# Altium PCB EngineControl.PcbDoc
Units mm, origin at the board's own origin, x right, y up, seen from the top; angles counter-clockwise.
Board outline 93.1 x 76.8 mm, 2 copper layers (Top Layer, Bottom Layer), stack 1.08 mm thick; 80 components, 54 nets, 329 pads, 116 vias.
Unrouted connection lines stored in the file: 1.
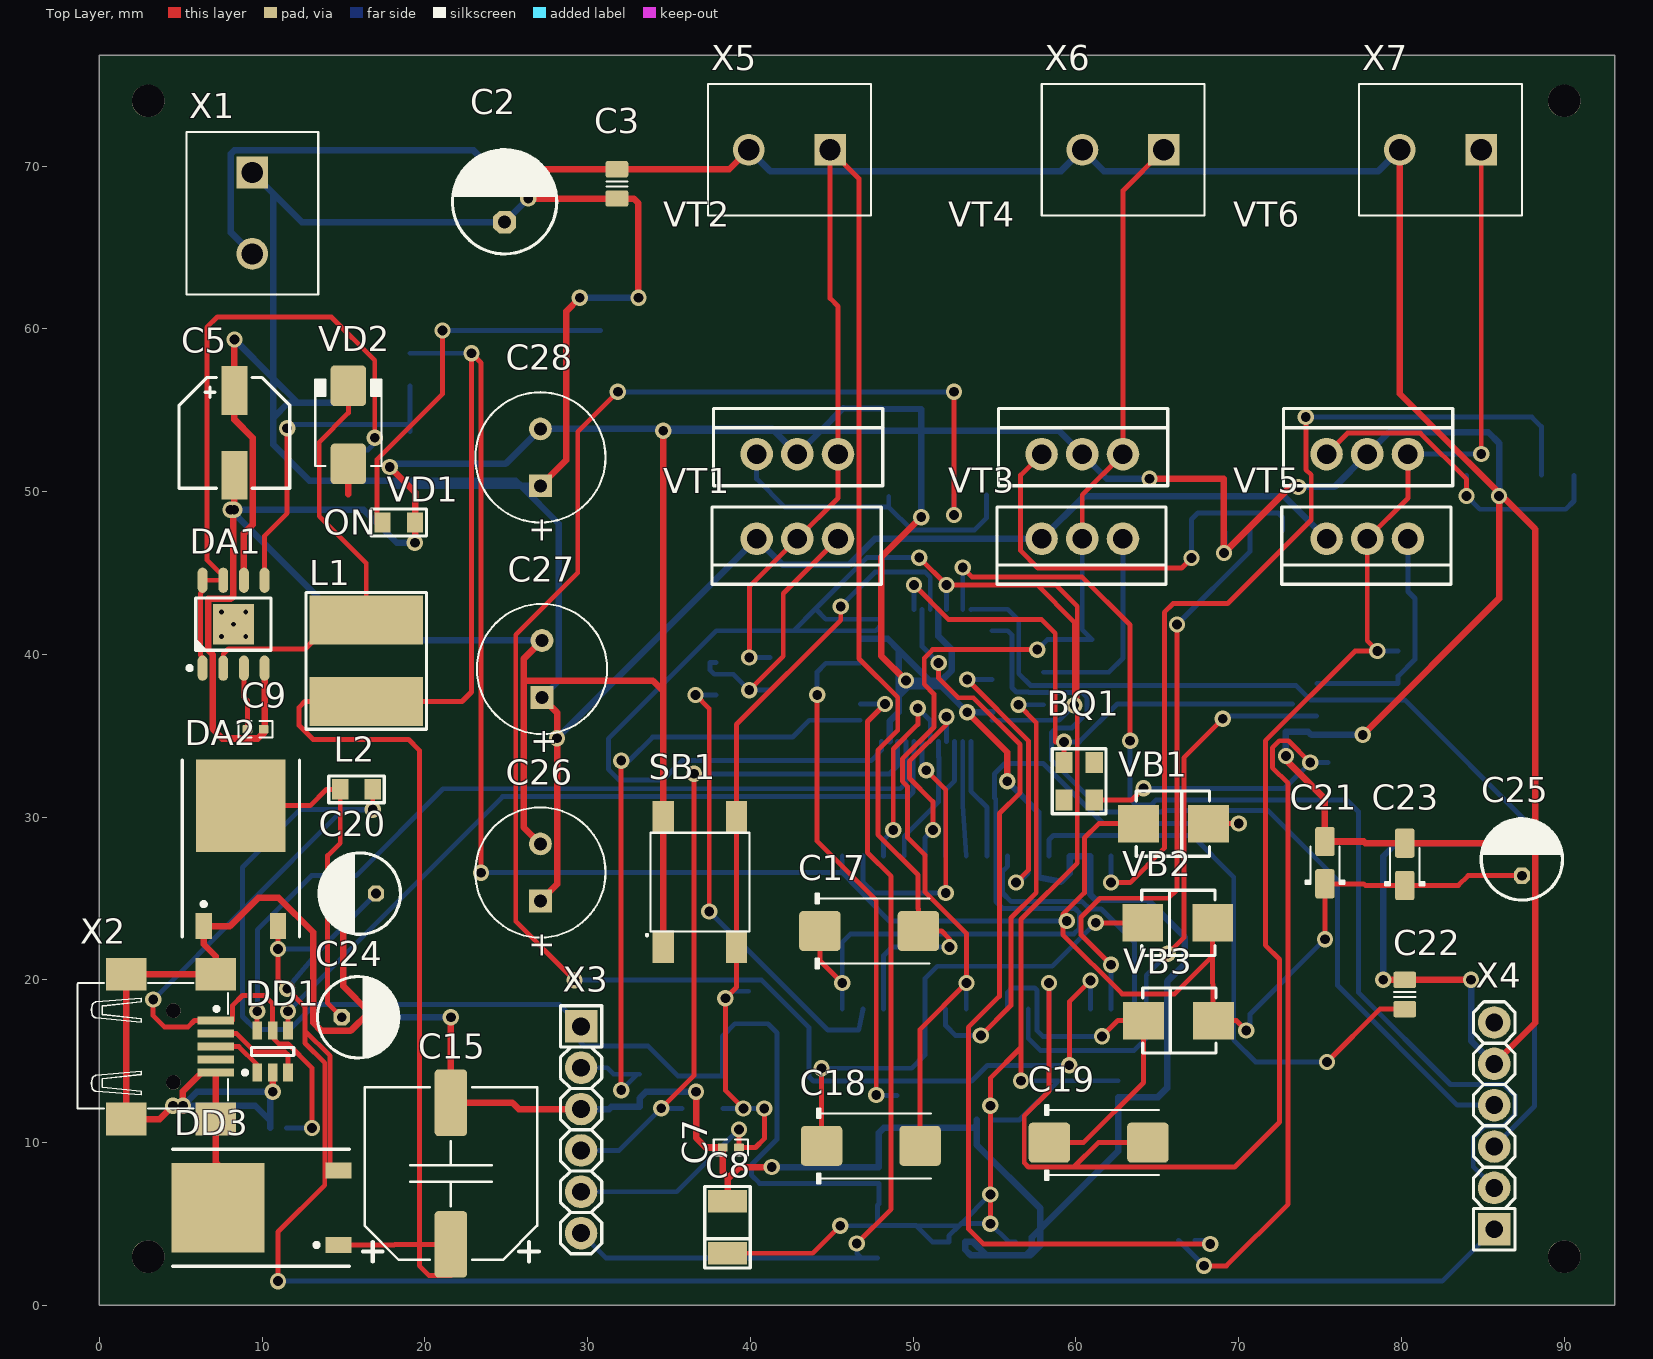
[diagram p0: Top Layer view]
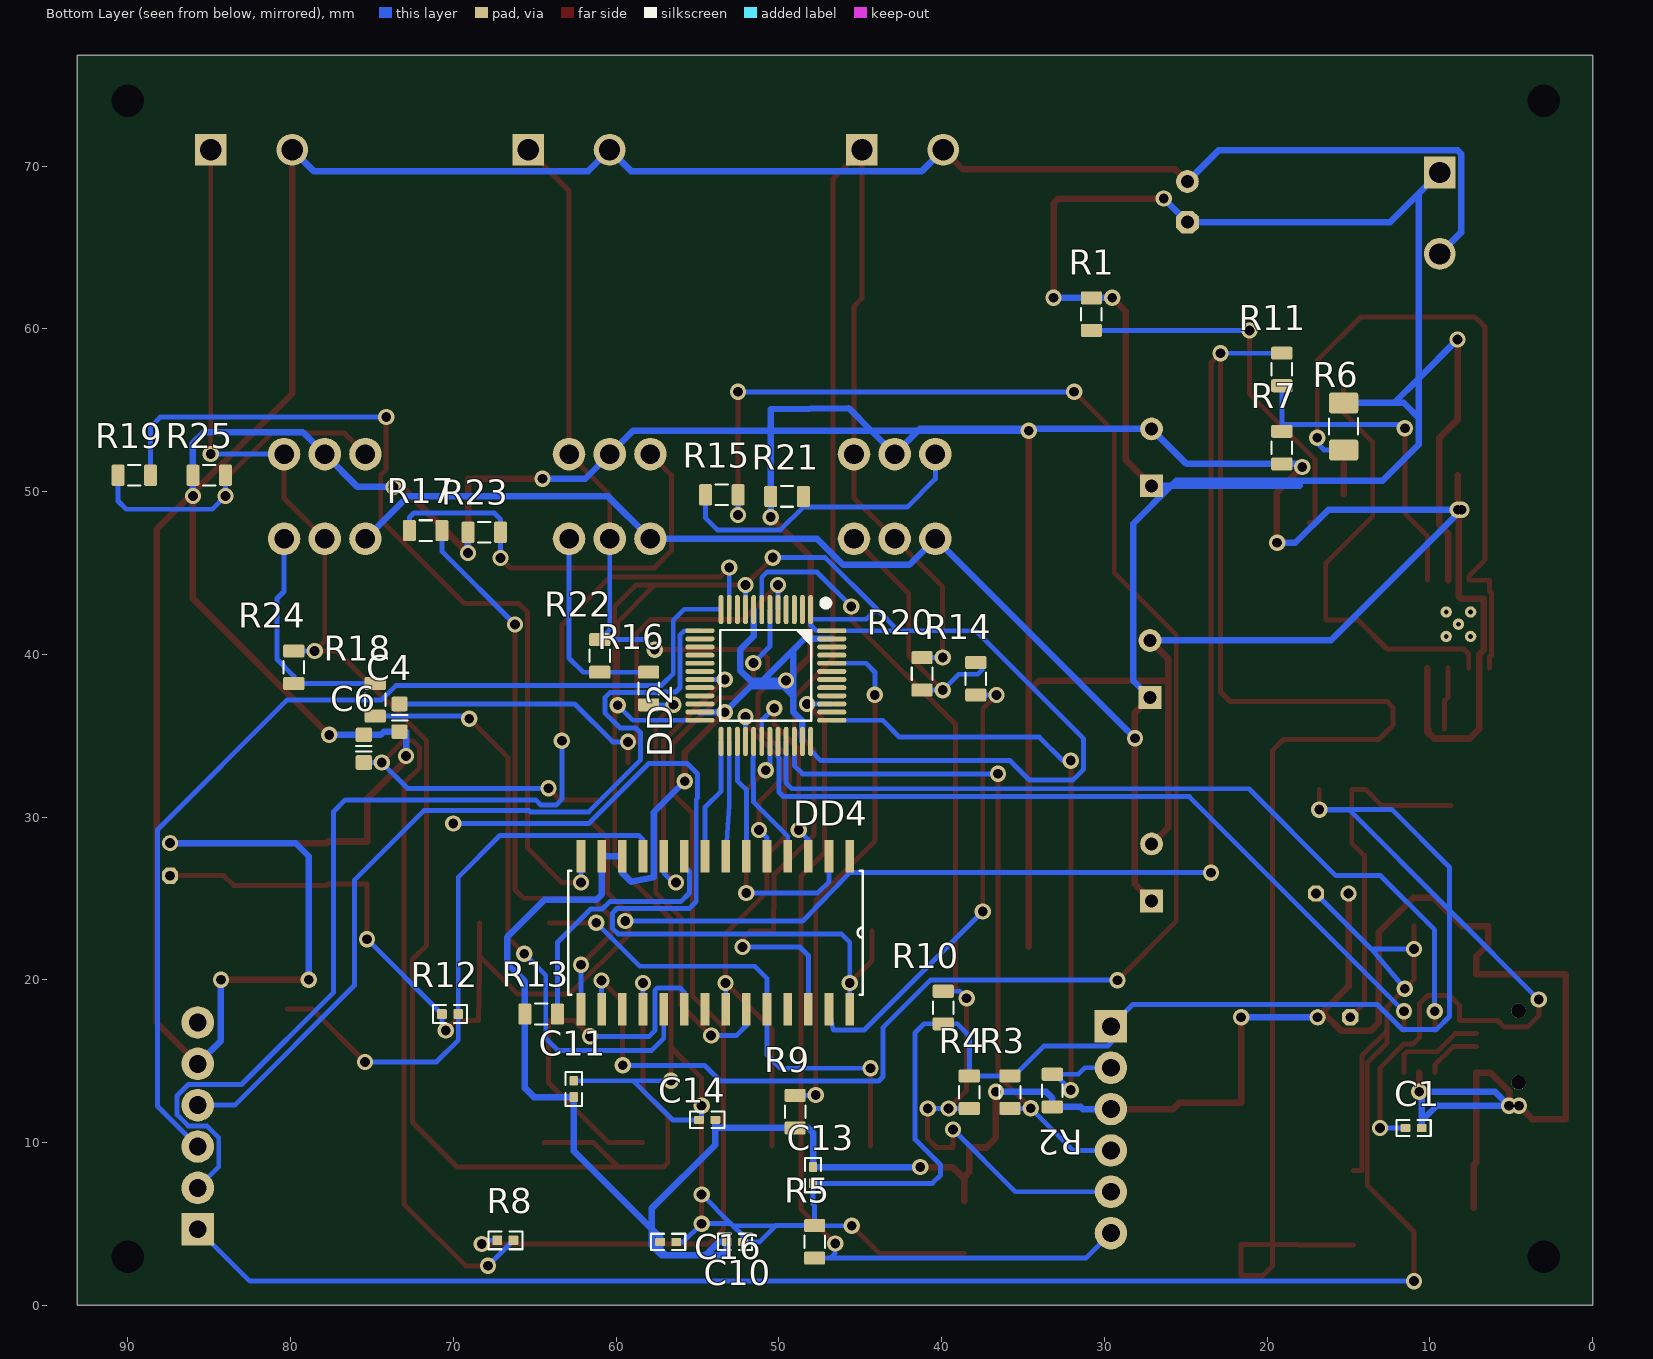
[diagram p1: Bottom Layer view, seen from below]
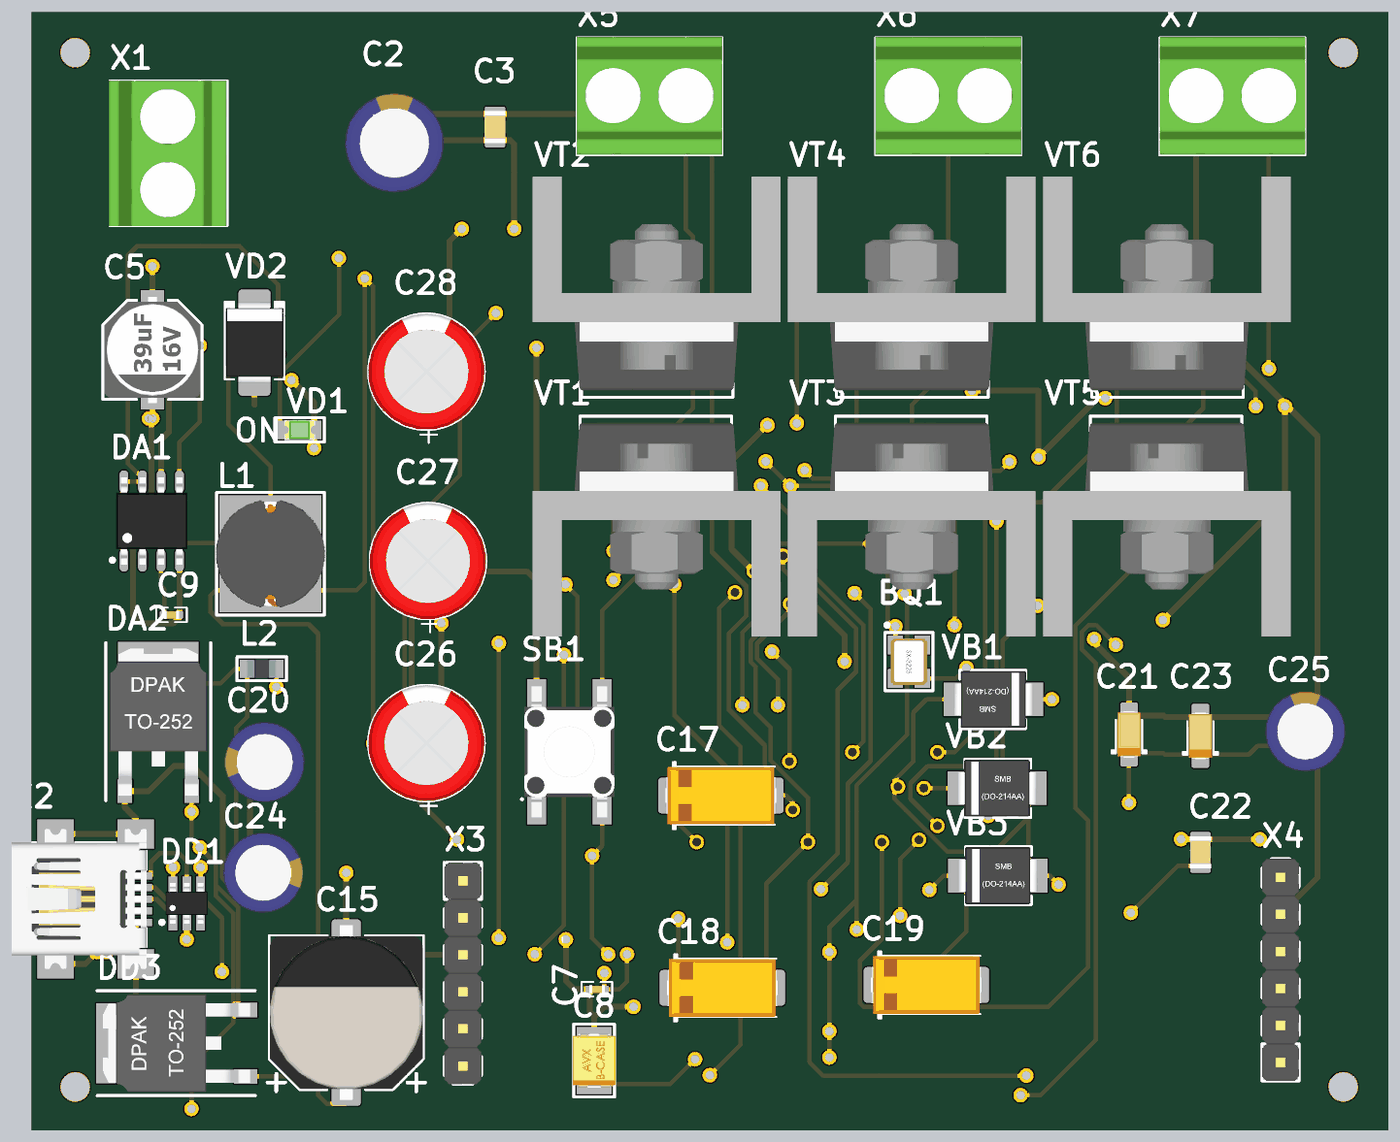
[diagram p2: 3D render of the assembled board from above, using the file's embedded part models]
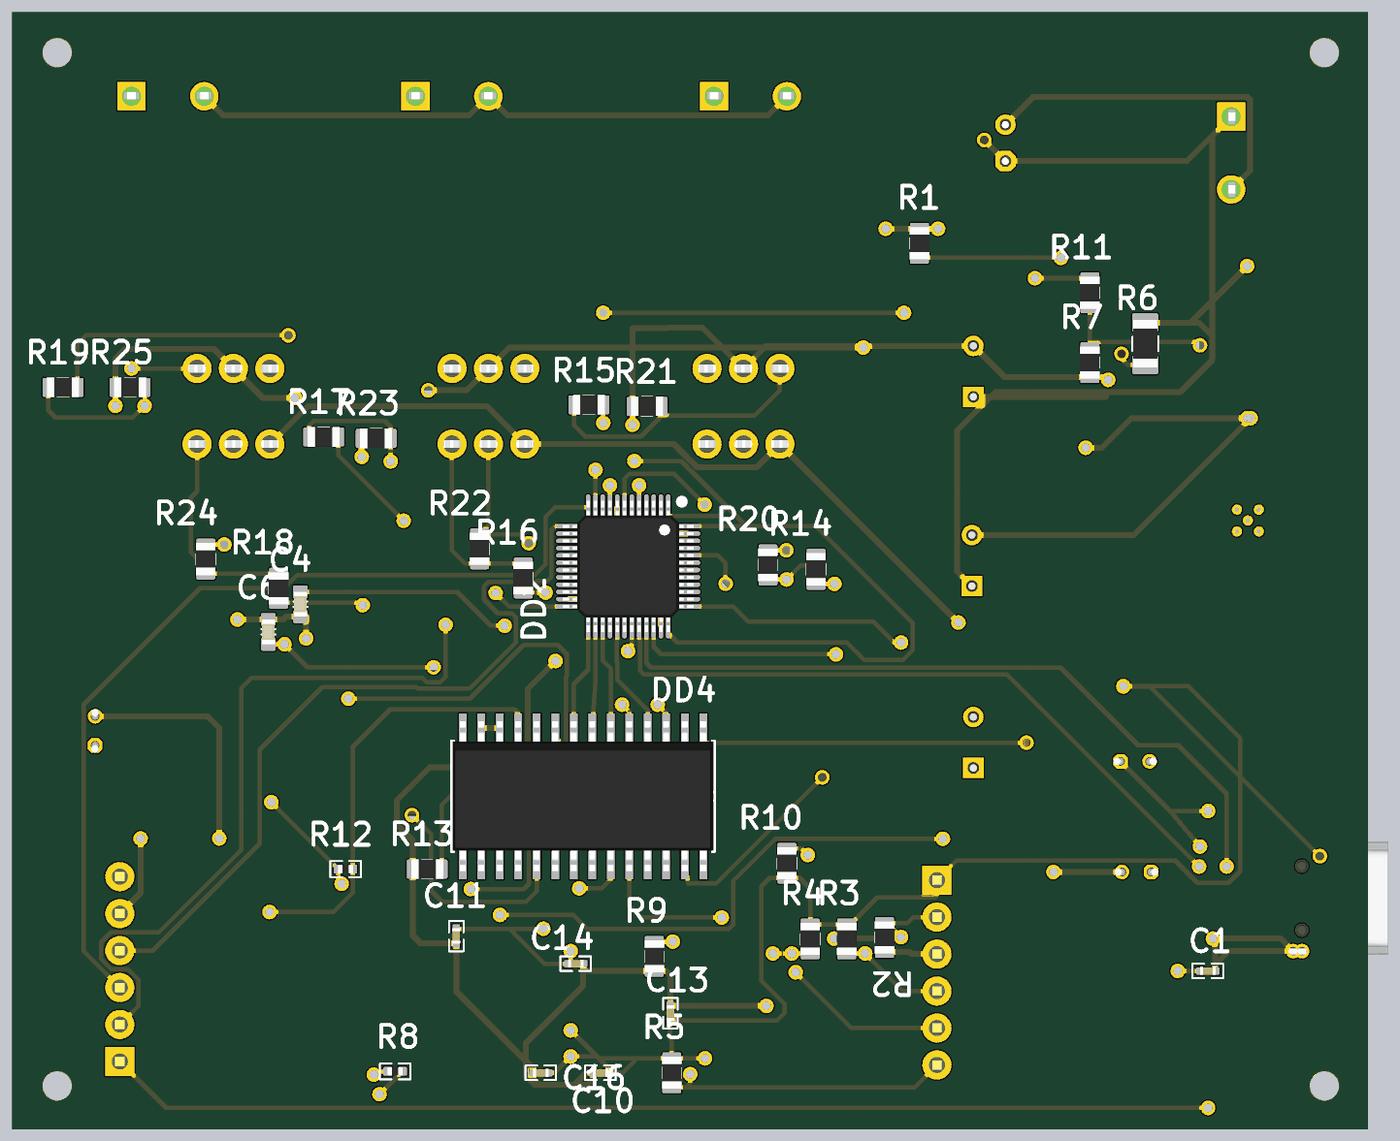
[diagram p3: 3D render of the assembled board from below, using the file's embedded part models]

## Layer stack, top to bottom
Top Solder: solder mask 0.0102, Solder Resist, Dk 3.5
Top Layer: signal copper 0.04
Dielectric 1: dielectric 1, FR-4, Dk 4.8
Bottom Layer: signal copper 0.04
Bottom Solder: solder mask 0.0102, Solder Resist, Dk 3.5

## Board outline
0,0 93.1,0 93.1,76.8 0,76.8

## Design rules (kind name [scope] priority, off if disabled: settings)
Clearance [All] p1: gap=0.12 ignorepadtopadclearanceinfootprint=TRUE
PolygonConnect [All] p1: connectstyle=Relief reliefconductorwidth=0.254 reliefentries=4 polygonreliefangle="90 Angle" airgapwidth=0.254
RoutingTopology [All] p1: topology=Daisy_Simple
RoutingVias [All] p1: holewidth=0.6 width=1 viastyle="Through Hole" minholewidth=0.4 minwidth=0.7 maxholewidth=0.711 maxwidth=1.27
SolderMaskExpansion [All] p1: expansion=0.102 istentingtop=FALSE
Width GND [InNet('GND')] p1: maxlimit=1 minlimit=0.254 preferedwidth=0.4 minimp=50.000000 maximp=50.000000 favimp=50.000000
Width +27В [InNet('+27B')] p2: maxlimit=1 minlimit=0.254 preferedwidth=0.4 minimp=50.000000 maximp=50.000000 favimp=50.000000
Width [All] p3: maxlimit=1 minlimit=0.1 preferedwidth=0.3
29 further rules are at their usual default settings.

## Components (designator, comment, footprint, x,y, rotation, side; value= is the part's Value field where it differs from the comment)
BQ1 "8МГц" "OSC: 3225" 60.2,32.2 r270 top
C1 "100н" CAPC1005X55N 11,10.9 r180 bottom
C2 "100мк" "CAP: D6.3C2.5H11" 24.9,67.8 r90 top
C3 "0,1мк" CAPC2012X135N 31.8,68.9 r90 top
C4 "20" CAPC1608X90N 73.3,36.1 r270 bottom
C5 "100мк" "CAP: SMD D6.3A6.6H7.7" 8.3,53.6 r270 top
C6 "20" CAPC1608X90N 75.5,34.2 r90 bottom
C7 "0,1" CAPC1005X55N 38.8,9.7 r180 top
C8 "4,7мк" "CAP: TANTAL-B" 38.6,4.8 r90 top
C9 "470" CAPC1005X55N 9.6,35.4 r0 top
C10 "100н" CAPC1005X55N 52.7,3.9 r0 bottom
C11 "100н" CAPC1005X55N 62.6,13.3 r270 bottom
C13 "100н" CAPC1005X55N 47.9,8 r90 bottom
C14 "100н" CAPC1005X55N 54.4,11.4 r180 bottom
C15 "470мк" CAP_ELEC_SIZE_G 21.6,8.1 r0 top
C16 "100н" CAPC1005X55N 56.8,3.9 r0 bottom
C17 "15мк" CAPMP7343X310N 47.3,23 r0 top
C18 "15мк" CAPMP7343X310N 47.4,9.8 r0 top
C19 "15мк" CAPMP7343X310N 61.4,10 r0 top
C20 "10мк" "CAP: D5C2H11" 16,25.3 r180 top
C21 "0,1мк" CAPMP3216X180N 75.3,27.2 r90 top
C22 "1н" CAPC2012X135N 80.2,19.1 r90 top
C23 "1мк" CAPMP3216X180N 80.2,27.1 r90 top
C24 "10мк" "CAP: D5C2H11" 15.9,17.7 r0 top
C25 "1мк" "CAP: D5C2H11" 87.4,27.4 r90 top
C26 "220мк" "WCAP-ATUL 8x11.5x3.5x0.5" 27.1,26.6 r90 top
C27 "220мк" "WCAP-ATUL 8x11.5x3.5x0.5" 27.2,39.1 r90 top
C28 "220мк" "WCAP-ATUL 8x11.5x3.5x0.5" 27.1,52.1 r90 top
DA1 "MC33063AD" 8-SOIC-PAD 8.25,41.85 r90 top
DA2 "MC33269DT-3.3G" 369A-13#1 8.7,27 r0 top
DD1 "USBLC6-2SC6" SOT23-6 10.65,15.6 r90 top
DD2 "STM32F103C6T6A" LQFP-48_N 50.8,38.7 r270 bottom
DD3 "L78M05CDT-TR" 369A-13#2 11,6 r90 top
DD4 "IR2136SPBF" SOIC127PX1032X265-28N 53.9,22.9 r270 bottom
L1 "SDR0805-221KL" "IND: SDR0805" 16.4,39.6 r270 top
L2 "BLM21AG102SN1" "IND: 0805" 15.8,31.7 r0 top
R1 "10к" RES0805 30.8,60.9 r270 bottom
R2 "4,7k" RES0805 33.2,13.2 r90 bottom
R3 "4,7k" RES0805 35.8,13.1 r270 bottom
R4 "4,7k" RES0805 38.3,13.1 r270 bottom
R5 "4,7k" RES0805 47.8,3.9 r270 bottom
R6 "0,33" RES1206 15.3,54 r90 bottom
R7 "1,2k" RES0805 19.1,52.7 r90 bottom
R8 "300" RES0402 66.8,4 r0 bottom
R9 "10k" RES0805 49,11.9 r90 bottom
R10 "100" RES0805 39.9,18.3 r90 bottom
R11 "1,2k" RES0805 19.1,57.5 r90 bottom
R12 "2M" RES0402 70.2,17.9 r180 bottom
R13 "71,5k" RES0805 64.6,17.9 r0 bottom
R14 "140" RES0805 37.9,38.5 r90 bottom
R15 "140" RES0805 53.5,49.8 r0 bottom
R16 "140" RES0805 58,37.9 r90 bottom
R17 "140" RES0805 71.7,47.6 r0 bottom
R18 "140" RES0805 74.8,37.2 r90 bottom
R19 "140" RES0805 89.6,51 r0 bottom
R20 "10k" RES0805 41.2,38.8 r90 bottom
R21 "10k" RES0805 49.5,49.7 r0 bottom
R22 "10k" RES0805 61,39.9 r90 bottom
R23 "10k" RES0805 68.1,47.5 r0 bottom
R24 "10k" RES0805 79.8,39.2 r90 bottom
R25 "10k" RES0805 85,51 r0 bottom
SB1 "SWT-34" SWT-34 36.9,26 r90 top
VB1 "MBRS190T3G" "DIODE: SMB" 66,29.6 r0 top
VB2 "MBRS190T3G" "DIODE: SMB" 66.25,23.5 r180 top
VB3 "MBRS190T3G" "DIODE: SMB" 66.3,17.5 r180 top
VD1 "LED, Green, *, *, *, -55...+150°C" "LED: 0805G" 18.4,48.1 r0 top
VD2 "1N5819HW-7-F" DO-214AA 15.3,54.1 r90 top
VT1 "IRFZ14PBF" TO220 42.884,47.1 r180 top
VT2 "IRFZ14PBF" TO220 42.884,52.3 r0 top
VT3 "IRFZ14PBF" TO220 60.392,47.1 r180 top
VT4 "IRFZ14PBF" TO220 60.392,52.3 r0 top
VT5 "IRFZ14PBF" TO220 77.9,47.1 r180 top
VT6 "IRFZ14PBF" TO220 77.9,52.3 r0 top
X1 "301-021-12" 301-021-12_3D 9.4,67.1 r270 top
X2 "USB-Mini-B" USB-MINI 4.4,15.9 r270 top
X3 "PLS-1x6" "CON: PLS-6" 29.6,10.79 r270 top
X4 "PLS-1x6" "CON: PLS-6" 85.7,11.03 r90 top
X5 "301-021-12" 301-021-12_3D 42.4,71 r180 top
X6 "301-021-12" 301-021-12_3D 62.9,71 r180 top
X7 "301-021-12" 301-021-12_3D 82.4,71 r180 top

## Footprints (in the part's own frame and the unit in brackets; to place one, negate y for a bottom-side part, rotate by r counter-clockwise, add the part's x,y. Pads: shape width x height; smd on the part's side, far side on the other; paste and mask are expansions set on the pad)
8-SOIC-PAD [mm] "pitch 1.27 mm, power pad"
  round 0.7 hole 0.3: 0(-0.75,0.75) 0(-0.75,-0.75) 0(0,0) 0(0.75,0.75) 0(0.75,-0.75)
  rrect100% 1.55x0.6 smd: 1(-2.7,1.905) 2(-2.7,0.635) 3(-2.7,-0.635) 4(-2.7,-1.905) 5(2.7,-1.905) 6(2.7,-0.635) 7(2.7,0.635) 8(2.7,1.905)
  round 0.7 on Mech1: 28(-2.395,1.8)
  rect 2.5x2.5 smd: " 0"(0,0)
  silkscreen extent -2.82,-2.3 1.61,2.82, body extent -3,-2.45 3,2.45, height 1.75
301-021-12_3D [mm] "Serie 2417 - 5.00 mm _ 2 pins"
  rect 1.95x1.95 hole 1.3: 1(-2.5,0)
  round 1.95 hole 1.3: 2(2.5,0)
  silkscreen extent -5,-4.05 5,4.05, body extent -5,-4.1 5,4, height 10.1
369A-13#1 [mm] "D-PAK/TO-252-AA; 3 Leads (1 Cropped); Body 10.3 (inc. leads) x 6.7 mm (LxW max)"
  rect 1x1.6 smd: 1(-2.285,-3.7) 3(2.285,-3.7)
  rect 5.5x5.7 smd: 4(0,3.7)
  silkscreen extent -3.6,-4.35 3.6,6.5, body extent -3.37,-4 3.37,6.1, height 2.38
369A-13#2 [mm] "D-PAK/TO-252-AA; 3 Leads (1 Cropped); Body 10.3 (inc. leads) x 6.7 mm (LxW max)"
  rect 1x1.6 smd: 1(-2.285,-3.7) 3(2.285,-3.7)
  rect 5.5x5.7 smd: 2(0,3.7)
  silkscreen extent -3.6,-4.35 3.6,6.5, body extent -3.37,-4 3.37,6.1, height 2.38
"CAP: D5C2H11" [mm]
  oct 1x1 hole 0.6: 1(-1,0)
  round 1 hole 0.6: 2(1,0)
  silkscreen extent -2.5,-2.5 2.5,2.5, body extent -2.75,-2.75 2.75,2.75, height 13.5
"CAP: D6.3C2.5H11" [mm]
  oct 1.4x1.4 hole 0.8: 1(-1.25,0)
  round 1.4 hole 0.8: 2(1.25,0)
  silkscreen extent -3.2,-3.2 3.2,3.2, body extent -3.4,-3.4 3.4,3.4, height 12.5
"CAP: SMD D6.3A6.6H7.7" [mm]
  rect 3x1.6 smd mask+0.075: 1(-2.6,0) 2(2.6,0)
  silkscreen extent -3.4,-3.4 3.4,3.4, body extent -3.65,-3.3 3.65,3.3, height 5.9
"CAP: TANTAL-B" [mm]
  rect 1.4x2.4 smd: 1(-1.6,0) 2(1.6,0)
  silkscreen extent -2.5,-1.4 2.5,1.4, body extent -1.85,-1.46 1.85,1.47, height 2.03
CAP_ELEC_SIZE_G [mm] "Capacitor, polarized, aluminum can; 10.0x10.2mm DxH"
  round 0.635 on Mech15: 0(0,0)
  rrect25% 2x4.1 smd: 1(0,-4.35) 2(0,4.35)
  silkscreen extent -5.4,-5.4 5.4,5.3, body extent -5.25,-6 5.25,6, height 10.5
CAPC1005X55N [mm] "Chip Capacitor, Body 1.0x0.5mm, EIA 0402, IPC Medium Density"
  round 0.2 on Mech15: 0(0,0)
  rrect20% 0.6x0.5 smd: 1(-0.5,0) 2(0.5,0)
  Top Layer pour cut-out: -0.325,0.375 -0.2,0.5 0.2,0.5 0.325,0.375 0.325,-0.375 0.2,-0.5 -0.2,-0.5 -0.325,-0.375
  silkscreen extent -1.05,-0.5 1.05,0.5, body extent -0.52,-0.27 0.53,0.28, height 0.55
CAPC1608X90N [mm] "Chip Capacitor, Body 1.6x0.8mm, EIA 0603, IPC Medium Density"
  round 0.254 on Mech15: 0(0,0)
  rrect25% 0.9x1 smd: 1(-0.85,0) 2(0.85,0)
  Top Layer pour cut-out: -0.6,0.5 -0.4,0.7 0.4,0.7 0.6,0.5 0.6,-0.5 0.4,-0.7 -0.4,-0.7 -0.6,-0.5
  silkscreen extent -0.18,-0.48 0.18,0.48, body extent -0.85,-0.45 0.85,0.45, height 0.89
CAPC2012X135N [mm] "Chip Capacitor, Body 2.0x1.2mm, EIA 0805, IPC Medium Density"
  round 0.254 on Mech15: 0(0,0)
  rrect25% 1x1.4 smd: 1(-0.9,0) 2(0.9,0)
  Top Layer pour cut-out: -0.675,0.7 -0.475,0.9 0.475,0.9 0.675,0.7 0.675,-0.7 0.475,-0.9 -0.475,-0.9 -0.675,-0.7
  silkscreen extent -0.15,-0.65 0.15,0.65, body extent -1.1,-0.72 1.1,0.73, height 1.34
CAPMP3216X180N [mm] "Capacitor, polarized, Molded Body, EIA 535BAAC size A; 3.20mm L X 1.60mm W X 1.80mm H"
  round 0.508 on Mech15: 0(0,0)
  rrect25% 1.8x1.2 smd: 1(-1.3,0) 2(1.3,0)
  silkscreen extent -1.3,-1.2 1,1.2, body extent -1.6,-0.8 1.6,0.8, height 1.8
CAPMP7343X310N [mm] "Molded body capacitor, Body 7.3x4.3mm, 2917, IPC Nominal settings"
  round 1 on Mech15: 0(0,0)
  rrect20% 2.55x2.45 smd: 1(-3.025,0) 2(3.025,0)
  silkscreen extent -3.3,-2.3 3.7,2.3, body extent -3.8,-1.97 3.8,1.98, height 3.1
"CON: PLS-6" [mm]
  rect 2x2 hole 1.1: 1(-6.35,0)
  round 2 hole 1.1: 2(-3.81,0) 3(-1.27,0) 4(1.27,0) 5(3.81,0) 6(6.35,0)
  silkscreen extent -7.62,-1.27 7.62,1.27, body extent -7.62,-1.27 7.62,1.27, height 8.54
"DIODE: SMB" [mm]
  rect 2.5x2.3 smd: 1(-2.15,0) 2(2.15,0)
  silkscreen extent -2.3,-2 2.2,2, body extent -2.75,-1.95 2.75,1.95, height 2.45
DO-214AA [mm] "JEDEC DO214 variation AA. SMB"
  round 0.508 on Mech15: 0(0,0)
  rrect25% 2.5x2.2 smd: 1(-2.4,0) 2(2.4,0)
  silkscreen extent -2.54,-2.03 2.79,2.03, body extent -2.8,-1.97 2.8,1.98, height 2.62
"IND: 0805" [mm]
  rect 1x1.25 smd: 1(-1,0) 2(1,0)
  silkscreen extent -1.7,-0.82 1.7,0.82, body extent -1,-0.62 1,0.63, height 0.85
"IND: SDR0805" [mm]
  rect 3x7 smd: 1(-2.5,0) 2(2.5,0)
  silkscreen extent -4.2,-3.7 4.2,3.7, body extent -3.68,-3.75 3.68,3.75, height 5.08
"LED: 0805G" [mm]
  rect 1x1.25 smd: 1(-1,0) 2(1,0)
  silkscreen extent -1.7,-0.82 1.7,0.83, body extent -1.05,-0.67 1.05,0.68, height 0.9
LQFP-48_N [mm] "Thin QFP, 48-Leads, Body 7x7mm, Pitch 0.5mm, IPC Medium Density"
  round 1 on Mech15: 0(0,0)
  oval 1.8x0.3 smd: 1(-4.05,2.75) 2(-4.05,2.25) 3(-4.05,1.75) 4(-4.05,1.25) 5(-4.05,0.75) 6(-4.05,0.25) 7(-4.05,-0.25) 8(-4.05,-0.75) 9(-4.05,-1.25) 10(-4.05,-1.75) 11(-4.05,-2.25) 12(-4.05,-2.75) 25(4.05,-2.75) 26(4.05,-2.25) 27(4.05,-1.75) 28(4.05,-1.25) 29(4.05,-0.75) 30(4.05,-0.25) 31(4.05,0.25) 32(4.05,0.75) 33(4.05,1.25) 34(4.05,1.75) 35(4.05,2.25) 36(4.05,2.75)
  oval 0.3x1.8 smd: 13(-2.75,-4.05) 14(-2.25,-4.05) 15(-1.75,-4.05) 16(-1.25,-4.05) 17(-0.75,-4.05) 18(-0.25,-4.05) 19(0.25,-4.05) 20(0.75,-4.05) 21(1.25,-4.05) 22(1.75,-4.05) 23(2.25,-4.05) 24(2.75,-4.05) 37(2.75,4.05) 38(2.25,4.05) 39(1.75,4.05) 40(1.25,4.05) 41(0.75,4.05) 42(0.25,4.05) 43(-0.25,4.05) 44(-0.75,4.05) 45(-1.25,4.05) 46(-1.75,4.05) 47(-2.25,4.05) 48(-2.75,4.05)
  silkscreen extent -4.64,-2.79 2.79,3.88, body extent -4.5,-4.5 4.5,4.5, height 1.59
"OSC: 3225" [mm]
  rect 1.3x1.05 smd: 1(-1.15,-0.925) 2(1.15,-0.925) 3(1.15,0.925) 4(-1.15,0.925)
  round 0.5 on Top Overlay: ""(-2.5,-1.5)
  silkscreen extent -2,-1.65 2,1.65, body extent -1.6,-1.25 1.6,1.25, height 0.81
RES0402 [mm] "Chip Resistor, Body 1.0x0.5mm, EIA 0402, IPC Medium Density"
  round 0.2 on Mech15: 0(0,0)
  rrect20% 0.6x0.6 smd: 1(-0.5,0) 2(0.5,0)
  Top Layer pour cut-out: -0.325,0.375 -0.2,0.5 0.2,0.5 0.325,0.375 0.325,-0.375 0.2,-0.5 -0.2,-0.5 -0.325,-0.375
  silkscreen extent -1.05,-0.55 1.05,0.55, body extent -0.52,-0.27 0.53,0.28, height 0.4
RES0805 [mm] "Chip Resistor, Body 2.0x1.2mm, EIA 0805, IPC Medium Density"
  round 0.254 on Mech15: 0(0,0)
  rrect25% 0.8x1.3 smd: 1(-1,0) 2(1,0)
  Top Layer pour cut-out: -0.725,0.65 -0.525,0.85 0.525,0.85 0.725,0.65 0.725,-0.65 0.525,-0.85 -0.525,-0.85 -0.725,-0.65
  silkscreen extent -0.38,-0.64 0.38,0.63, body extent -1.1,-0.67 1.1,0.68, height 0.69
RES1206 [mm] "Chip Resistor, Body 3.2x1.6mm, EIA 1206, IPC Medium Density"
  round 0.508 on Mech15: 0(0,0)
  rrect25% 1.3x1.8 smd: 1(-1.45,0) 2(1.45,0)
  silkscreen extent -0.51,-0.89 0.51,0.89, body extent -1.62,-0.82 1.63,0.83, height 0.69
SOIC127PX1032X265-28N [mil]
  rect 78x21 smd: 1(-185,325) 2(-185,275) 3(-185,225) 4(-185,175) 5(-185,125) 6(-185,75) 7(-185,25) 8(-185,-25) 9(-185,-75) 10(-185,-125) 11(-185,-175) 12(-185,-225) 13(-185,-275) 14(-185,-325) 15(185,-325) 16(185,-275) 17(185,-225) 18(185,-175) 19(185,-125) 20(185,-75) 21(185,-25) 22(185,25) 23(185,75) 24(185,125) 25(185,175) 26(185,225) 27(185,275) 28(185,325)
  silkscreen extent -150,-356 150,356, body extent -203,-353 203,352, height 107
SOT23-6 [mm] "pitch 0.95 mm"
  rect 1.1x0.6 smd: 1(-1.3,0.95) 2(-1.3,0) 3(-1.3,-0.95) 4(1.3,-0.95) 5(1.3,0) 6(1.3,0.95)
  round 0.5 on Mech1: ""(-1,1.1)
  silkscreen extent -1.42,-1.3 0.25,1.82, body extent -1.4,-1.45 1.4,1.45, height 1.45
SWT-34 [mm] "6*6mm vertical type, SMD, height 4.3mm, black actuator, 160gf, T&R"
  rect 2x1.3 smd: 1(-3.975,2.25) 2(3.975,2.25) 3(-3.975,-2.25) 4(3.975,-2.25)
  silkscreen extent -3.29,-3.04 3.04,3.29, body extent -4.5,-3.1 4.5,3.1, height 4.29
TO220 [mm]
  round 2 hole 1.2: 1(-2.5,0) 2(0,0) 3(2.5,0)
  silkscreen extent -5.15,-1.95 5.25,2.8, body extent -8.5,-1.5 8.5,13.19, height 22
USB-MINI [mm] "5 pins"
  rect 0.5x2.25 smd: 1(-1.6,2.75) 2(-0.8,2.75) 3(0,2.75) 4(0.8,2.75) 5(1.6,2.75)
  rect 2x2.5 smd: 6(-4.45,2.75) 6(-4.45,-2.75) 6(4.45,2.75) 6(4.45,-2.75)
  round 0.9 hole 0.9 unplated: ""(-2.2,0.15) ""(2.2,0.15)
  silkscreen extent -3.9,-5.75 3.8,3.5, body extent -4.8,-5.75 4.8,3.5, height 3.97
"WCAP-ATUL 8x11.5x3.5x0.5" [mm] "Polarized capacitors, Aluminum Electrolytic Capacitors, 2-Leads, Body 8x11.5x3.5x0.5"
  rect 1.4x1.4 hole 0.8: 1(-1.75,0)
  round 1.4 hole 0.8: 2(1.75,0)
  silkscreen extent -4,-4 4,4, body extent -3.97,-3.98 3.99,4, height 11.76
